# Altium PCB Lay-51943_B.brd.PcbDoc (part 1 of 8) (continued)
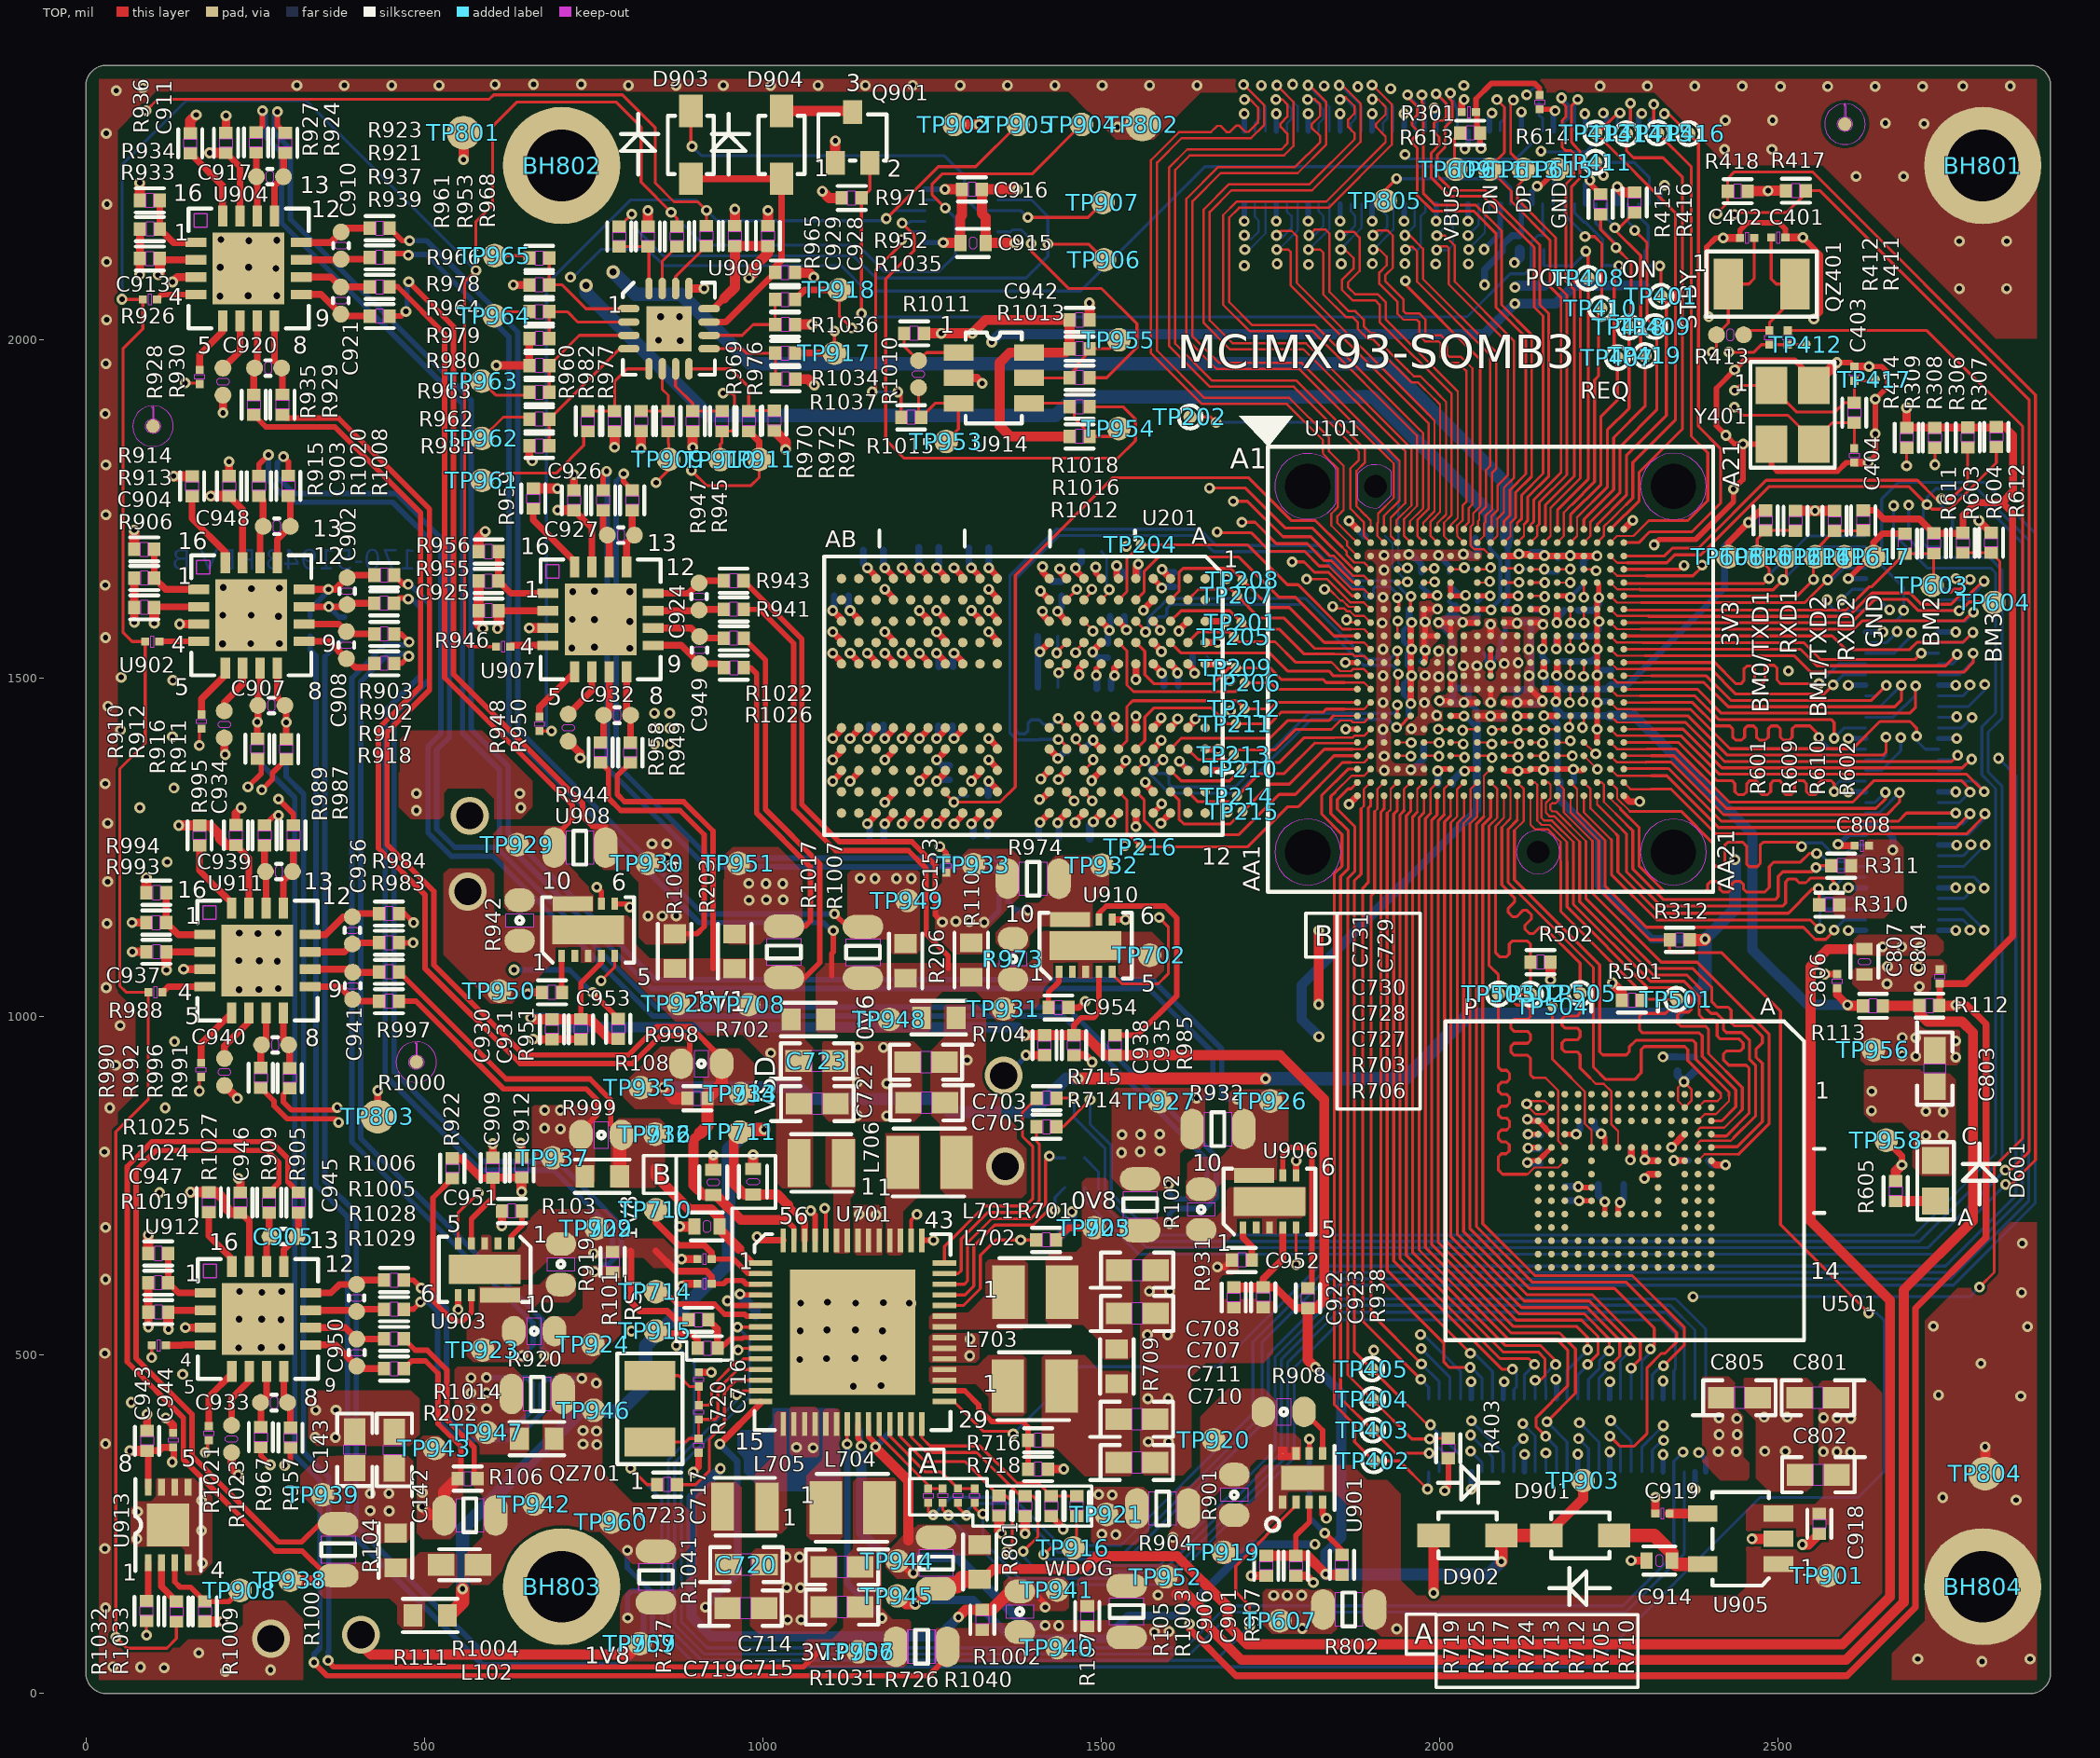
[diagram p0: TOP view]
## Components (designator, comment, footprint, x,y, rotation, side; value= is the part's Value field where it differs from the comment) (continued)
L102 "120 Ohm" IND_0603 552.75,190.32 r180 top
L701 "0.47UH" IND_SPH2520 1246.9,784.93 r0 top
L702 "0.47UH" IND_SPH2520 1403,593.29 r0 top
L703 "0.47UH" IND_SPH2520 1402.05,454.35 r0 top
L704 "0.47UH" IND_SPH2520 1133.01,274.53 r0 top
L705 "0.47UH" IND_2016A 973.9,276.24 r180 top
L706 "0.47UH" IND_2016A 1086.61,784.07 r180 top
MG1 "Do Not Trash" DoNotTrash_250Mil 558,1526 r180 bottom
Q901 "NX3008NBKW,115" SC70_3 1132.94,2299.31 r0 top
QZ401 "32.768KHZ" XTAL2-3P2X1P5-SM 2476.33,2082.67 r0 top
QZ701 "32.768KHZ" XTAL2-3P2X1P5-SM 833.38,420.75 r90 top
R101 "0" 0402_CC 778.36,637.62 r270 top
R102 "0" RC0805_OV 1558.05,722.2 r90 top
R103 "0" 0603_CC 763.01,764.38 r180 top
R104 "0" 0603_CC 457.58,211.33 r90 top
R105 "0" 0402_CC 1324.73,108.92 r90 top
R106 "0" 0402_CC 564.09,317.62 r0 top
R107 "0" 0402_CC 1479.77,114.32 r270 top
R108 "0" 0402_CC 903.44,879.51 r0 top
R109 "0" 0603_CC 870,1097.08 r270 top
R110 "0" 0603_CC 1308.26,1083.78 r270 top
R111 "0" 0603_CC 508.74,115.37 r180 top
R112 "0" 0402_CC 2724.18,1016.34 r180 top
R113 "0" 0402_CC 2640.82,1016.14 r0 top
R201 "10K" 0402_CC 1318.8,1326.23 r0 bottom
R202 "0" 0603_CC 666.39,376.55 r180 top
R203 "0" 0603_CC 958.68,1096.7 r90 top
R204 "120" 0402_CC 1905.57,1710.21 r180 bottom
R205 "150" 0402_CC 1408.56,1424.08 r270 bottom
R206 "0" 0603_CC 1211.23,1082.48 r90 top
R207 "10K" 0402_CC 1421.15,1562.41 r0 bottom
R208 "10K" 0402_CC 1421.58,1486.62 r0 bottom
R209 "240 OHM" 0201_CC 1645.91,1532.71 r0 bottom
R210 "0" 0402_CC 1486,1687.46 r0 bottom
R301 "0" 0201_CC 2043.7,2336.66 r0 top
R302 "200" 0201_CC 2057.1,1671.95 r270 bottom
R303 "200" 0201_CC 2135.89,1675.74 r90 bottom
R304 "0" 0201_CC 2146.92,2361.58 r270 bottom
R305 "200" 0201_CC 2175.22,1666.78 r90 bottom
R306 "4.7K" 0402_CC 2780.77,1855.96 r270 top
R307 "4.7K" 0402_CC 2823.11,1856.75 r270 top
R308 "4.7K" 0402_CC 2732.32,1855.75 r270 top
R309 "4.7K" 0402_CC 2690.47,1855.76 r270 top
R310 "10K" 0402_CC 2576.12,1165.57 r180 top
R311 "10K" 0402_CC 2593.64,1223.36 r180 top
R312 "4.7K" 0402_CC 2355.1,1113.62 r180 top
R401 "100K" 0402_CC 2241.26,2095.39 r90 bottom
R403 "10K" 0402_CC 2013.28,362.38 r270 top
R404 "100K" 0402_CC 2198.54,2095.07 r90 bottom
R405 "100K" 0402_CC 2303.73,2094.76 r90 bottom
R406 "0" 0201_CC 2154.44,2144.09 r270 bottom
R411 "0" 0201_CC 2514.69,2003.59 r270 top
R412 "0" 0201_CC 2487.8,2003.67 r90 top
R413 "4.7M" RC0402_25 2429.64,2007.75 r180 top
R414 "510K" 0402_CC 2613.18,1892.69 r270 top
R415 "100K" 0402_CC 2238.2,2200.72 r90 top
R416 "100K" 0402_CC 2288.47,2203.45 r90 top
R417 "100K" 0402_CC 2526.65,2220.64 r180 top
R418 "100K" 0402_CC 2440.72,2219.95 r0 top
R501 "10K" 0402_CC 2284.42,1024.33 r0 top
R502 "10K" 0402_CC 2149.46,1080.83 r180 top
R601 "4.7K" 0402_CC 2482.26,1733.29 r270 top
R602 "10K" 0402_CC 2626.38,1733.52 r270 top
R603 "4.7K" 0402_CC 2730.83,1699.46 r270 top
R604 "4.7K" 0402_CC 2773.69,1700.22 r270 top
R605 "1.0K" 0402_CC 2674.32,742.34 r270 top
R609 "100K" 0402_CC 2526.37,1733 r90 top
R610 "100K" 0402_CC 2584.13,1732.91 r90 top
R611 "100K" 0402_CC 2687.96,1699.21 r90 top
R612 "100K" 0402_CC 2815.21,1700.53 r90 top
R613 "30K" 0402_CC 2045.69,2306.15 r0 top
R614 "52.3K" 0201_CC 2148.23,2351.33 r270 top
R701 "0" 0402_CC 1419.05,670.32 r180 top
R702 "0" 0603_CC 1067.55,995.96 r0 top
R703 "100K" 0402_CC 905.25,552.25 r0 top
R704 "0" 0603_CC 1260.24,998.66 r180 top
R705 "100K" 0402_CC 1426.51,277.25 r90 top
R706 "0" 0402_CC 918.66,510.25 r0 top
R707 "0" 0402_CC 1461.11,747.75 r180 bottom
R708 "0" 0402_CC 1461.1,791.34 r180 bottom
R709 "0" 0603_CC 1523.45,483.31 r270 top
R710 "0" 0402_CC 1464.07,277.12 r90 top
R711 "0" 0402_CC 1418.78,670.77 r0 bottom
R712 "4.7K" 0402_CC 1387.83,277.26 r90 top
R713 "4.7K" 0402_CC 1349.44,277.52 r90 top
R714 "0" 0402_CC 1419.41,837.5 r180 top
R715 "0" 0402_CC 1419.76,879.87 r180 top
R716 "0" 0402_CC 1407.08,374.13 r180 top
R717 "0" 0201_CC 1288.66,292.51 r90 top
R718 "0" 0402_CC 1407.08,331.74 r0 top
R719 "0" 0201_CC 1244.73,292.26 r90 top
R720 "1M" 0201_CC 905.64,415.68 r270 top
R723 "0" 0402_CC 858.98,308.73 r180 top
R724 "0" 0201_CC 1313.39,292.36 r90 top
R725 "0" 0201_CC 1266.11,292.4 r90 top
R726 "0" RC0805_OV 1235.43,69.2 r0 top
R727 "0" RC0805_OV 842.19,172.58 r90 top
R801 "0" 0603_CC 1320.84,194.43 r270 top
R802 "0" RC0805_OV 1866.16,124.29 r0 top
R901 "0.4" RC0603_OV 1696.84,293.59 r90 top
R902 "0" 0402_CC 440.61,1610.98 r180 top
R903 "0" 0402_CC 440.97,1652.62 r180 top
R904 "0.02" RC0805_OV 1591.24,273.5 r180 top
R905 "0" 0402_CC 314.31,725.44 r270 top
R906 "0" 0201_CC 98.05,1554.36 r180 top
R907 "10K" 0402_CC 1855.97,190.26 r90 top
R908 "1k" RC0603_OV 1770.05,416.36 r0 top
R909 "0" 0402_CC 270.71,725.64 r270 top
R910 "0" 0201_CC 170.83,1436.3 r270 top
R911 "0" 0402_CC 296.09,1395.41 r90 top
R912 "499" RC0402_25 204.53,1431.98 r270 top
R913 "10K" 0402_CC 86.29,1648.35 r180 top
R914 "10K" 0402_CC 86,1690.53 r180 top
R915 "10K" 0402_CC 156.86,1784.11 r90 top
R916 "0" 0402_CC 253.35,1395.87 r90 top
R917 "0" 0402_CC 440.97,1565.72 r180 top
R918 "0" 0402_CC 440.97,1522.32 r180 top
R919 "499" RC0603_OV 701.82,634.41 r270 top
R920 "10.0" RC0603_OV 662.43,535.53 r0 top
R921 "0" 0402_CC 434,2122.2 r180 top
R922 "10K" 0402_CC 541.55,776.03 r270 top
R923 "0" 0402_CC 434,2165.2 r180 top
R924 "0" 0402_CC 294.56,2291.27 r270 top
R926 "0" 0201_CC 94.59,2060.01 r180 top
R927 "0" 0402_CC 251.46,2291.85 r270 top
R928 "0" 0201_CC 168.04,1945.52 r270 top
R929 "0" 0402_CC 290.42,1904.51 r90 top
R930 "806" RC0402_25 202.54,1938.59 r270 top
R931 "1.0" RC0603_OV 1647.92,715.09 r90 top
R932 "0.02" RC0805_OV 1672.75,834 r180 top
R933 "10K" 0402_CC 94.61,2164.13 r180 top
R934 "10K" 0402_CC 94.31,2206.31 r180 top
R935 "0" 0402_CC 248.12,1904.33 r90 top
R936 "10K" 0402_CC 154.24,2290.64 r90 top
R937 "0" 0402_CC 434,2078.4 r180 top
R938 "10K" 0402_CC 1805.72,584.35 r90 top
R939 "0" 0402_CC 434,2035.5 r180 top
R941 "0" 0402_CC 957.24,1602.07 r180 top
R942 "2.0" RC0603_OV 640.99,1142.42 r90 top
R943 "0" 0402_CC 957.12,1644.37 r180 top
R944 "0.05" RC0805_OV 729.98,1249.97 r0 top
R945 "0" 0402_CC 807.42,1763.38 r270 top
R946 "0" 0201_CC 616.6,1546.87 r180 top
R947 "0" 0402_CC 764.32,1763.38 r270 top
R948 "0" 0201_CC 670.2,1432.77 r270 top
R949 "0" 0402_CC 804.36,1390.26 r90 top
R950 "1.27K" RC0402_25 712.89,1427.15 r270 top
R951 "10K" 0402_CC 786.73,982.21 r90 top
R952 "10K" 0402_CC 1033.25,2099.59 r180 top
R953 "10K" 0402_CC 830.49,2152.95 r270 top
R955 "10K" 0402_CC 594.85,1643.85 r180 top
R956 "10K" 0402_CC 594.96,1687.4 r180 top
R957 "0" 0402_CC 302.19,377.94 r90 top
R958 "0" 0402_CC 760.66,1390.6 r90 top
R959 "10K" 0402_CC 661.03,1765.75 r90 top
R960 "0" 0402_CC 741.61,1880.07 r270 top
R961 "0" 0402_CC 788.29,2152.95 r270 top
R962 "0" 0402_CC 669.89,1883.19 r180 top
R963 "0" 0402_CC 669.89,1922.85 r180 top
R964 "0" 0402_CC 669.89,2041.83 r180 top
R965 "0" 0402_CC 917.1,2153.88 r270 top
R966 "0" 0402_CC 669.89,2121.15 r180 top
R967 "0" 0402_CC 258.69,378.7 r90 top
R968 "0" 0402_CC 873.38,2152.95 r270 top
R969 "0" 0402_CC 860.59,1880.07 r270 top
R970 "0" 0402_CC 939.91,1880.07 r270 top
R971 "10K" 0402_CC 1131.45,2209.84 r0 top
R972 "0" 0402_CC 979.57,1880.07 r270 top
R973 "2.0" RC0603_OV 1369.96,1085.31 r90 top
R974 "0.05" RC0805_OV 1399.89,1203.92 r180 top
R975 "4.7K" 0402_CC 1017.57,1880.77 r90 top
R976 "4.7K" 0402_CC 896.7,1880.03 r90 top
R977 "4.7K" 0402_CC 820.37,1880.4 r90 top
R978 "4.7K" 0402_CC 669.89,2081.49 r180 top
R979 "4.7K" 0402_CC 669.89,2002.17 r180 top
R980 "4.7K" 0402_CC 669.89,1962.51 r180 top
R981 "4.7K" 0402_CC 669.89,1843.53 r180 top
R982 "4.7K" 0402_CC 781.27,1880.07 r270 top
R983 "0" 0402_CC 447.94,1109.42 r180 top
R984 "0" 0402_CC 447.94,1152.62 r180 top
R985 "10K" 0402_CC 1520.56,958.13 r90 top
R987 "0" 0402_CC 306.63,1268.31 r270 top
R988 "0" 0201_CC 102.75,1036.34 r180 top
R989 "0" 0402_CC 264.03,1268.19 r270 top
R990 "0" 0201_CC 170.1,921.57 r270 top
R991 "0" 0402_CC 301.15,909.26 r90 top
R992 "2.05K" RC0402_25 204.8,918.4 r270 top
R993 "10K" 0402_CC 103.84,1139.19 r180 top
R994 "10K" 0402_CC 104.25,1183.3 r180 top
R995 "10K" 0402_CC 167.94,1268.04 r90 top
R996 "0" 0402_CC 258.45,909.78 r90 top
R997 "0" 0402_CC 447.94,1066.42 r180 top
R998 "1.0" RC0603_OV 909.6,930.75 r180 top
R999 "0.4" RC0603_OV 761.69,825.45 r180 top
R1000 "0" 0402_CC 447.94,1023.02 r180 top
R1001 "0.25" RC0805_OV 372.96,212.6 r90 top
R1002 "4.99" RC0603_OV 1379.96,121 r90 top
R1003 "0.1" RC0805_OV 1537.76,121.09 r90 top
R1004 "0.1" RC0805_OV 567.38,263.3 r180 top
R1005 "0" 0402_CC 455.41,567.95 r180 top
R1006 "0" 0402_CC 455.41,610.95 r180 top
R1007 "0.25" RC0805_OV 1148.36,1095.3 r90 top
R1008 "0" 0402_CC 299.34,1784.63 r270 top
R1009 "100K" 0402_CC 175.91,121.5 r90 top
R1010 "2.2K" RC0402_25 1230.4,1949.61 r270 top
R1011 "10K" 0402_CC 1223.76,2009.92 r180 top
R1012 "10K" 0402_CC 1468.23,1857.56 r0 top
R1013 "10K" 0402_CC 1468.23,1987.26 r0 top
R1014 "0.25" RC0805_OV 667.07,442.72 r180 top
R1015 "0" 0402_CC 1219.49,1885.88 r180 top
R1016 "0" 0402_CC 1468.23,1901.36 r0 top
R1017 "0.1" RC0805_OV 1031.51,1095.7 r90 top
R1018 "0" 0402_CC 1468.23,1944.36 r0 top
R1019 "0" 0201_CC 107.76,514.48 r180 top
R1020 "0" 0402_CC 255.64,1784.21 r270 top
R1021 "0" 0201_CC 181.64,384.55 r270 top
R1022 "0" 0402_CC 957.23,1559.6 r180 top
R1023 "3.24K" RC0402_25 215.24,376.16 r270 top
R1024 "10K" 0402_CC 106.98,607.14 r180 top
R1025 "10K" 0402_CC 106.94,650.28 r180 top
R1026 "0" 0402_CC 957.51,1515.8 r180 top
R1027 "10K" 0402_CC 181.62,726.1 r90 top
R1028 "0" 0402_CC 455.41,523.95 r180 top
R1029 "0" 0402_CC 455.41,480.15 r180 top
R1031 "0.1" RC0805_OV 1256.38,192.78 r270 top
R1032 "0" 0402_CC 89.43,121.91 r90 top
R1033 "0" 0402_CC 133.83,121.19 r90 top
R1034 "0" 0402_CC 1033.25,1980.61 r0 top
R1035 "0" 0402_CC 1033.25,2059.93 r0 top
R1036 "4.7K" 0402_CC 1033.28,2022.88 r180 top
R1037 "4.7K" 0402_CC 1033.86,1942.25 r180 top
R1040 "0.02" RC0805_OV 1234.53,69.2 r0 top
R1041 "0.02" RC0805_OV 842.42,172.41 r90 top
R1042 "0" 0402_CC 296.1,1392.37 r90 bottom
R1043 "0" 0402_CC 253.62,1393.84 r90 bottom
R1044 "0" 0402_CC 382,1575.76 r90 bottom
R1045 "0" 0402_CC 331.33,1577.45 r90 bottom
TP201 "TPAD_015" TPAD_015 1707.53,1582.77 r0 top
TP202 "tpad_020" TPAD_020 1631.77,1886.32 r0 top
TP204 "TPAD_015" TPAD_015 1558.88,1697.48 r0 top
TP205 "TPAD_015" TPAD_015 1696.3,1561.16 r0 top
TP206 "TPAD_015" TPAD_015 1712.21,1493.38 r0 top
TP207 "TPAD_015" TPAD_015 1701.02,1622.67 r0 top
TP208 "TPAD_015" TPAD_015 1709.24,1645.13 r0 top
TP209 "TPAD_015" TPAD_015 1699.4,1515.76 r0 top
TP210 "TPAD_015" TPAD_015 1707.53,1365.76 r0 top
TP211 "TPAD_015" TPAD_015 1699.4,1432.77 r0 top
TP212 "TPAD_015" TPAD_015 1712.21,1455.15 r0 top
TP213 "TPAD_015" TPAD_015 1696.3,1387.37 r0 top
TP214 "TPAD_015" TPAD_015 1701.02,1325.86 r0 top
TP215 "TPAD_015" TPAD_015 1709.24,1303.4 r0 top
TP216 "TPAD_015" TPAD_015 1558.88,1251.05 r0 top
TP401 "tpad_020" TPAD_020 2327.57,2064.67 r0 top
TP402 "tpad_020" TPAD_020 1902.96,343.78 r0 top
TP403 "tpad_020" TPAD_020 1901.35,389.22 r0 top
TP404 "tpad_020" TPAD_020 1901.21,434.41 r0 top
TP405 "tpad_020" TPAD_020 1900.08,479.57 r0 top
TP407 "tpad_020" TPAD_020 2262.99,1973.82 r0 top
TP408 "tpad_020" TPAD_020 2219.62,2091.38 r90 top
TP409 "tpad_020" TPAD_020 2318.13,2020.02 r0 top
TP410 "tpad_020" TPAD_020 2238.4,2046.72 r0 top
TP411 "tpad_020" TPAD_020 2230.63,2262.7 r0 top
TP412 "TPAD_015" TPAD_015 2541.26,1993.39 r0 top
TP413 "tpad_020" TPAD_020 2231.11,2305.75 r0 top
TP414 "tpad_020" TPAD_020 2276.55,2304.66 r0 top
TP415 "tpad_020" TPAD_020 2322.32,2305.94 r0 top
TP416 "tpad_020" TPAD_020 2368.41,2304.98 r0 top
TP417 "TPAD_015" TPAD_015 2643.57,1941.25 r0 top
TP418 "tpad_020" TPAD_020 2280.24,2019.11 r0 top
TP419 "tpad_020" TPAD_020 2304.02,1977.03 r0 top
TP501 "tpad_020" TPAD_020 2350.48,1025.87 r0 top
TP502 "tpad_020" TPAD_020 2134.65,1033.52 r0 top
TP503 "tpad_020" TPAD_020 2087.3,1033.62 r0 top
TP504 "TPAD_015" TPAD_015 2167.09,1015.41 r0 top
TP505 "tpad_020" TPAD_020 2208.02,1034.42 r0 top
TP603 "TP_35MIL" TESTPOINT_35MIL 2728.1,1637.5 r0 top
TP604 "TP_35MIL" TESTPOINT_35MIL 2819.24,1612 r0 top
TP607 "TP_35MIL" TESTPOINT_35MIL 1764.38,107.46 r0 top
TP608 "TP_35MIL" TESTPOINT_35MIL 2426.61,1679.71 r180 top
TP609 "TP_35MIL" TESTPOINT_35MIL 2024.2,2252.3 r0 top
TP610 "TP_35MIL" TESTPOINT_35MIL 2469.61,1679.71 r180 top
TP611 "TP_35MIL" TESTPOINT_35MIL 2074.2,2252.3 r0 top
TP612 "TP_35MIL" TESTPOINT_35MIL 2512.61,1679.71 r0 top
TP613 "TP_35MIL" TESTPOINT_35MIL 2124.2,2252.3 r0 top
TP614 "TP_35MIL" TESTPOINT_35MIL 2555.61,1679.71 r180 top
TP615 "TP_35MIL" TESTPOINT_35MIL 2174.2,2252.3 r0 top
TP616 "TP_35MIL" TESTPOINT_35MIL 2598.61,1679.71 r0 top
TP617 "TP_35MIL" TESTPOINT_35MIL 2641.61,1679.71 r0 top
TP702 "TP_35MIL" TESTPOINT_35MIL 1571.78,1090.98 r0 top
TP703 "TP_35MIL" TESTPOINT_35MIL 1489.75,688.29 r0 top
TP706 "TP_35MIL" TESTPOINT_35MIL 1141.39,61.86 r0 top
TP707 "TP_35MIL" TESTPOINT_35MIL 818.72,73.59 r0 top
TP708 "TP_35MIL" TESTPOINT_35MIL 979.18,1017.78 r0 top
TP709 "TP_35MIL" TESTPOINT_35MIL 754.35,687.56 r0 top
TP710 "TP_35MIL" TESTPOINT_35MIL 841.99,714.86 r0 top
TP711 "TP_35MIL" TESTPOINT_35MIL 966.02,829.69 r0 top
TP712 "TP_35MIL" TESTPOINT_35MIL 841.09,826.77 r0 top
TP713 "TP_35MIL" TESTPOINT_35MIL 967.44,886.26 r0 top
TP714 "TP_35MIL" TESTPOINT_35MIL 841.99,593.85 r0 top
TP801 "TPAD_050" TPAD_050 558.1,2306.35 r0 top
TP802 "TPAD_050" TPAD_050 1561,2318.55 r0 top
TP803 "TPAD_050" TPAD_050 431.16,852.58 r0 top
TP804 "TPAD_050" TPAD_050 2806.57,324.98 r0 top
TP805 "TP_35MIL" TESTPOINT_35MIL 1919.93,2206.08 r0 top
TP901 "TP_35MIL" TESTPOINT_35MIL 2573.27,174.13 r0 top
TP902 "TP_35MIL" TESTPOINT_35MIL 1283.1,2318.55 r270 top
TP903 "TP_35MIL" TESTPOINT_35MIL 2212.24,314.69 r0 top
TP904 "TP_35MIL" TESTPOINT_35MIL 1471.42,2318.55 r270 top
TP905 "TP_35MIL" TESTPOINT_35MIL 1377.26,2318.55 r270 top
TP906 "TP_35MIL" TESTPOINT_35MIL 1504.82,2118.41 r270 top
TP907 "TP_35MIL" TESTPOINT_35MIL 1502.72,2203.31 r270 top
TP908 "TP_35MIL" TESTPOINT_35MIL 227.74,152.4 r90 top
TP909 "TP_35MIL" TESTPOINT_35MIL 861.18,1823.55 r0 top
TP910 "TP_35MIL" TESTPOINT_35MIL 937.44,1823.29 r90 top
TP911 "TP_35MIL" TESTPOINT_35MIL 995.02,1823.57 r0 top
TP915 "TP_35MIL" TESTPOINT_35MIL 841.99,535.65 r0 top
TP916 "TP_35MIL" TESTPOINT_35MIL 1459.01,215.24 r0 top
TP917 "TP_35MIL" TESTPOINT_35MIL 1106.21,1980.6 r0 top
TP918 "TP_35MIL" TESTPOINT_35MIL 1113.27,2074.13 r0 top
TP919 "TP_35MIL" TESTPOINT_35MIL 1681.18,208.55 r0 top
TP920 "TP_35MIL" TESTPOINT_35MIL 1666.57,374.67 r0 top
TP921 "TP_35MIL" TESTPOINT_35MIL 1508.2,264.74 r0 top
TP922 "TP_35MIL" TESTPOINT_35MIL 754.35,687.47 r0 top
TP923 "TP_35MIL" TESTPOINT_35MIL 586.38,507.81 r0 top
TP924 "TP_35MIL" TESTPOINT_35MIL 749.16,515.74 r0 top
TP925 "TP_35MIL" TESTPOINT_35MIL 1489.86,688.3 r0 top
TP926 "TP_35MIL" TESTPOINT_35MIL 1750.48,875.53 r0 top
TP927 "TP_35MIL" TESTPOINT_35MIL 1586.85,874.7 r0 top
TP928 "TP_35MIL" TESTPOINT_35MIL 875.16,1019.62 r0 top
TP929 "TP_35MIL" TESTPOINT_35MIL 637.3,1254.1 r0 top
TP930 "TP_35MIL" TESTPOINT_35MIL 830.13,1226.55 r0 top
TP931 "TP_35MIL" TESTPOINT_35MIL 1356.04,1011.6 r0 top
TP932 "TP_35MIL" TESTPOINT_35MIL 1501.29,1224.06 r0 top
TP933 "TP_35MIL" TESTPOINT_35MIL 1311.79,1224.9 r0 top
TP934 "TP_35MIL" TESTPOINT_35MIL 967.46,886.4 r0 top
TP935 "TP_35MIL" TESTPOINT_35MIL 819.71,895.17 r0 top
TP936 "TP_35MIL" TESTPOINT_35MIL 840.99,826.7 r0 top
TP937 "TP_35MIL" TESTPOINT_35MIL 689.9,791.64 r0 top
TP938 "TP_35MIL" TESTPOINT_35MIL 301.72,167.39 r0 top
TP939 "TP_35MIL" TESTPOINT_35MIL 349.72,293.69 r0 top
TP940 "TP_35MIL" TESTPOINT_35MIL 1435.36,67.9 r0 top
TP941 "TP_35MIL" TESTPOINT_35MIL 1435.35,153.04 r0 top
TP942 "TP_35MIL" TESTPOINT_35MIL 662.34,279.92 r0 top
TP943 "TP_35MIL" TESTPOINT_35MIL 515.43,362.15 r0 top
TP944 "TP_35MIL" TESTPOINT_35MIL 1199.32,196.04 r0 top
TP945 "TP_35MIL" TESTPOINT_35MIL 1198.91,144.28 r0 top
TP946 "TP_35MIL" TESTPOINT_35MIL 750.48,418.53 r0 top
TP947 "TP_35MIL" TESTPOINT_35MIL 592.25,385.96 r0 top
TP948 "TP_35MIL" TESTPOINT_35MIL 1187.42,996.16 r0 top
TP949 "TP_35MIL" TESTPOINT_35MIL 1213.71,1171.87 r0 top
TP950 "TP_35MIL" TESTPOINT_35MIL 611.01,1037.9 r0 top
TP951 "TP_35MIL" TESTPOINT_35MIL 964.11,1226.55 r0 top
TP952 "TP_35MIL" TESTPOINT_35MIL 1595.63,172.66 r0 top
TP953 "TP_35MIL" TESTPOINT_35MIL 1271.3,1850.13 r0 top
TP954 "TP_35MIL" TESTPOINT_35MIL 1526.33,1869.33 r0 top
TP955 "TP_35MIL" TESTPOINT_35MIL 1526.34,2000.39 r0 top
TP956 "TP_35MIL" TESTPOINT_35MIL 2641.25,951.29 r0 top
TP957 "TP_35MIL" TESTPOINT_35MIL 1141.43,61.66 r0 top
TP958 "TP_35MIL" TESTPOINT_35MIL 2660.19,817.66 r0 top
TP959 "TP_35MIL" TESTPOINT_35MIL 818.65,73.59 r0 top
TP960 "TP_35MIL" TESTPOINT_35MIL 775.96,253.55 r0 top
TP961 "TP_35MIL" TESTPOINT_35MIL 585.36,1792.63 r90 top
TP962 "TP_35MIL" TESTPOINT_35MIL 585.36,1854.5 r90 top
TP963 "TP_35MIL" TESTPOINT_35MIL 584.99,1939.2 r90 top
TP964 "TP_35MIL" TESTPOINT_35MIL 603.32,2035.88 r90 top
TP965 "TP_35MIL" TESTPOINT_35MIL 604.08,2124.7 r90 top
U101 "MIMX9352CVVMAB" SKT_BGA306_0P5_SQ16P23_ELAST 2075.72,1513.64 r90 top
U201 "MT53E1G16D1FW-046 AAT:A" BGA200_0P65X0P8_10X14P5 1385.23,1474.28 r270 top
U501 "SDINBDA6-16G-I" FBGA153_0P5_11P5X13 2273.99,757.66 r270 top
U701 "PCA9451AHNY" HVQFN56_0P4_7X7_EP4P7MM 1132.86,533.95 r0 top
U901 "DML3006LFDS-7" DFN2020_0P5_SQ2 1797.98,318.86 r90 top
U902 "PAC1934T-I/JQ" QFN16_0P65_4X4_A 244.43,1593.17 r0 top
U903 "TPS22990N" WSON10_0P5_2P1X3P1 589.33,625.82 r270 top
U904 "PAC1934T-I/JQ" QFN16_0P65_4X4_A 240.47,2105.78 r0 top
U905 "RT9193" SOT23-5 2445.26,228.64 r90 top
U906 "TPS22990N" WSON10_0P5_2P1X3P1 1749.02,728.05 r90 top
U907 "PAC1934T-I/JQ" QFN16_0P65_4X4_A 760.57,1587.24 r0 top
U908 "TPS22990N" WSON10_0P5_2P1X3P1 742.18,1129.45 r90 top
U909 "ADP5585ACPZ-00-R7" LFCSP_16_0P5_3X3_A 861.59,2016.77 r0 top
U910 "TPS22990N" WSON10_0P5_2P1X3P1 1477.31,1106.15 r90 top
U911 "PAC1934T-I/JQ" QFN16_0P65_4X4_A 253.55,1083.07 r0 top
U912 "PAC1934T-I/JQ" QFN16_0P65_4X4_A 254.21,553.55 r0 top
U913 "PCT2075" HWSON8_0P5_3P1X2P1 121.49,249.12 r90 top
U914 "93LC56BT" SOT23-6 1341.46,1944 r270 top
Y401 "24MHz" XTLOSC4_3P2X2P5MM_SM 2522.02,1889.64 r270 top

## Footprints (in the part's own frame and the unit in brackets; to place one, negate y for a bottom-side part, rotate by r counter-clockwise, add the part's x,y. Pads: shape width x height; smd on the part's side, far side on the other; paste and mask are expansions set on the pad)
0201_CC [mil] "0201_CC"
  rect 12x12 smd: 1(-10.51,0) 2(10.51,0)
  TOP keep-out region: -2.64,7.87 -2.64,-7.87 2.64,-7.87 2.64,7.87
  TOP keep-out region: -2.64,7.87 -2.64,-7.87 2.64,-7.87 2.64,7.87
  body extent -12,-6 12,6, height 13
0402_CC [mil] "0402_CC"
  rect 18x20 smd: 1(-14.76,0) 2(14.76,0)
  TOP keep-out region: -5.75,10 -5.75,-10 5.75,-10 5.75,10
  TOP keep-out region: -5.75,10 -5.75,-10 5.75,-10 5.75,10
  silkscreen extent -21,-18 21,18, body extent -20,-10 20,10, height 24
0603_CC [mil] "0603_CC"
  rect 28x33 smd: 1(-25.59,0) 2(25.59,0)
  silkscreen extent -40,-25 40,25, body extent -31,-16 31,16, height 36
BGA200_0P65X0P8_10X14P5 [mil] "BGA200_0P65X0P8_10X14P5"
  round 14 smd: A1(-173.23,268.7) A2(-141.73,268.7) A3(-110.24,268.7) A4(-78.74,268.7) A5(-47.24,268.7) A8(47.24,268.7) A9(78.74,268.7) A10(110.24,268.7) A11(141.73,268.7) A12(173.23,268.7) AA1(-173.23,-243.11) AA2(-141.73,-243.11) AA3(-110.24,-243.11) AA4(-78.74,-243.11) AA5(-47.24,-243.11) AA8(47.24,-243.11) AA9(78.74,-243.11) AA10(110.24,-243.11) AA11(141.73,-243.11) AA12(173.23,-243.11) AB1(-173.23,-268.7) AB2(-141.73,-268.7) AB3(-110.24,-268.7) AB4(-78.74,-268.7) AB5(-47.24,-268.7) AB8(47.24,-268.7) AB9(78.74,-268.7) AB10(110.24,-268.7) AB11(141.73,-268.7) AB12(173.23,-268.7) B1(-173.23,243.11) B2(-141.73,243.11) B3(-110.24,243.11) B4(-78.74,243.11) B5(-47.24,243.11) B8(47.24,243.11) B9(78.74,243.11) B10(110.24,243.11) B11(141.73,243.11) B12(173.23,243.11) C1(-173.23,217.52) C2(-141.73,217.52) C3(-110.24,217.52) C4(-78.74,217.52) C5(-47.24,217.52) C8(47.24,217.52) C9(78.74,217.52) C10(110.24,217.52) C11(141.73,217.52) C12(173.23,217.52) D1(-173.23,191.93) D2(-141.73,191.93) D3(-110.24,191.93) D4(-78.74,191.93) D5(-47.24,191.93) D8(47.24,191.93) D9(78.74,191.93) D10(110.24,191.93) D11(141.73,191.93) D12(173.23,191.93) E1(-173.23,166.34) E2(-141.73,166.34) E3(-110.24,166.34) E4(-78.74,166.34) E5(-47.24,166.34) E8(47.24,166.34) E9(78.74,166.34) E10(110.24,166.34) E11(141.73,166.34) E12(173.23,166.34) F1(-173.23,140.75) F2(-141.73,140.75) F3(-110.24,140.75) F4(-78.74,140.75) F5(-47.24,140.75) F8(47.24,140.75) F9(78.74,140.75) F10(110.24,140.75) F11(141.73,140.75) F12(173.23,140.75) G1(-173.23,115.16) G2(-141.73,115.16) G3(-110.24,115.16) G4(-78.74,115.16) G5(-47.24,115.16) G8(47.24,115.16) G9(78.74,115.16) G10(110.24,115.16) G11(141.73,115.16) G12(173.23,115.16) H1(-173.23,89.57) H2(-141.73,89.57) H3(-110.24,89.57) H4(-78.74,89.57) H5(-47.24,89.57) H8(47.24,89.57) H9(78.74,89.57) H10(110.24,89.57) H11(141.73,89.57) H12(173.23,89.57) J1(-173.23,63.98) J2(-141.73,63.98) J3(-110.24,63.98) J4(-78.74,63.98) J5(-47.24,63.98) J8(47.24,63.98) J9(78.74,63.98) J10(110.24,63.98) J11(141.73,63.98) J12(173.23,63.98) K1(-173.23,38.39) K2(-141.73,38.39) K3(-110.24,38.39) K4(-78.74,38.39) K5(-47.24,38.39) K8(47.24,38.39) K9(78.74,38.39) K10(110.24,38.39) K11(141.73,38.39) K12(173.23,38.39) N1(-173.23,-38.39) N2(-141.73,-38.39) N3(-110.24,-38.39) N4(-78.74,-38.39) N5(-47.24,-38.39) N8(47.24,-38.39) N9(78.74,-38.39) N10(110.24,-38.39) N11(141.73,-38.39) N12(173.23,-38.39) P1(-173.23,-63.98) P2(-141.73,-63.98) P3(-110.24,-63.98) P4(-78.74,-63.98) P5(-47.24,-63.98) P8(47.24,-63.98) P9(78.74,-63.98) P10(110.24,-63.98) P11(141.73,-63.98) P12(173.23,-63.98) R1(-173.23,-89.57) R2(-141.73,-89.57) R3(-110.24,-89.57) R4(-78.74,-89.57) R5(-47.24,-89.57) R8(47.24,-89.57) R9(78.74,-89.57) R10(110.24,-89.57) R11(141.73,-89.57) R12(173.23,-89.57) T1(-173.23,-115.16) T2(-141.73,-115.16) T3(-110.24,-115.16) T4(-78.74,-115.16) T5(-47.24,-115.16) T8(47.24,-115.16) T9(78.74,-115.16) T10(110.24,-115.16) T11(141.73,-115.16) T12(173.23,-115.16) U1(-173.23,-140.75) U2(-141.73,-140.75) U3(-110.24,-140.75) U4(-78.74,-140.75) U5(-47.24,-140.75) U8(47.24,-140.75) U9(78.74,-140.75) U10(110.24,-140.75) U11(141.73,-140.75) U12(173.23,-140.75) V1(-173.23,-166.34) V2(-141.73,-166.34) V3(-110.24,-166.34) V4(-78.74,-166.34) V5(-47.24,-166.34) V8(47.24,-166.34) V9(78.74,-166.34) V10(110.24,-166.34) V11(141.73,-166.34) V12(173.23,-166.34) W1(-173.23,-191.93) W2(-141.73,-191.93) W3(-110.24,-191.93) W4(-78.74,-191.93) W5(-47.24,-191.93) W8(47.24,-191.93) W9(78.74,-191.93) W10(110.24,-191.93) W11(141.73,-191.93) W12(173.23,-191.93) Y1(-173.23,-217.52) Y2(-141.73,-217.52) Y3(-110.24,-217.52) Y4(-78.74,-217.52) Y5(-47.24,-217.52) Y8(47.24,-217.52) Y9(78.74,-217.52) Y10(110.24,-217.52) Y11(141.73,-217.52) Y12(173.23,-217.52)
  silkscreen extent -244,-294 206,309, body extent -197,-295 197,295, height 39
CC0402_25 [mil] "CC0402_25"
  round 25 smd: 1(-20,0) 2(20,0)
  TOP keep-out region: 5,4 5,-4 5,-6.07 2.07,-9 -2.07,-9 -5,-6.07 -5,-4 -5,-4 -5,4 -5,6.07 -2.07,9 2.07,9 5,6.07 5,4
  silkscreen extent -4,-12 4,12, body extent -20,-10 20,10, height 22
CC0402_TOL0P15 [mil] "CC0402_TOL0P15"
  rect 18x24 smd: 1(-18.7,0) 2(18.7,0)
  TOP keep-out region: 5,4 5,-4 5,-6.07 2.07,-9 -2.07,-9 -5,-6.07 -5,-4 -5,-4 -5,4 -5,6.07 -2.07,9 2.07,9 5,6.07 5,4
  silkscreen extent -24,-21 24,21, body extent -20,-10 20,10, height 22
CC0603 [mil] "CC0603"
  rect 39x32 smd: 1(-27,0) 2(27,0)
  TOP keep-out region: -7,-16 -7,16 7,16 7,-16
  silkscreen extent -68,-26 54,26, body extent -31,-16 31,16, height 36
CON12_0P4_4P12X2P05_SM [mil] "CON12_0P4_4P12X2P05_SM"
  rect 8x27 smd: 1(39.37,-53.85) 2(39.37,53.85) 3(23.62,-53.85) 4(23.62,53.85) 5(7.87,-53.85) 6(7.87,53.85) 7(-7.87,-53.85) 8(-7.87,53.85) 9(-23.62,-53.85) 10(-23.62,53.85) 11(-39.37,-53.85) 12(-39.37,53.85)
  rect 14x27 smd: ""(-58.07,-53.85) ""(-58.07,53.85) ""(58.07,-53.85) ""(58.07,53.85)
  silkscreen extent -88,-47 88,47, body extent -77,-58 77,59, height 45
CON80_0P4_17P7X2P05_SM [mil] "CON80_0P4_17P7X2P05_SM"
  rect 8x27 smd: 1(307.09,-53.85) 2(307.09,53.85) 3(291.34,-53.85) 4(291.34,53.85) 5(275.59,-53.85) 6(275.59,53.85) 7(259.84,-53.85) 8(259.84,53.85) 9(244.09,-53.85) 10(244.09,53.85) 11(228.35,-53.85) 12(228.35,53.85) 13(212.6,-53.85) 14(212.6,53.85) 15(196.85,-53.85) 16(196.85,53.85) 17(181.1,-53.85) 18(181.1,53.85) 19(165.35,-53.85) 20(165.35,53.85) 21(149.61,-53.85) 22(149.61,53.85) 23(133.86,-53.85) 24(133.86,53.85) 25(118.11,-53.85) 26(118.11,53.85) 27(102.36,-53.85) 28(102.36,53.85) 29(86.61,-53.85) 30(86.61,53.85) 31(70.87,-53.85) 32(70.87,53.85) 33(55.12,-53.85) 34(55.12,53.85) 35(39.37,-53.85) 36(39.37,53.85) 37(23.62,-53.85) 38(23.62,53.85) 39(7.87,-53.85) 40(7.87,53.85) 41(-7.87,-53.85) 42(-7.87,53.85) 43(-23.62,-53.85) 44(-23.62,53.85) 45(-39.37,-53.85) 46(-39.37,53.85) 47(-55.12,-53.85) 48(-55.12,53.85) 49(-70.87,-53.85) 50(-70.87,53.85) 51(-86.61,-53.85) 52(-86.61,53.85) 53(-102.36,-53.85) 54(-102.36,53.85) 55(-118.11,-53.85) 56(-118.11,53.85) 57(-133.86,-53.85) 58(-133.86,53.85) 59(-149.61,-53.85) 60(-149.61,53.85) 61(-165.35,-53.85) 62(-165.35,53.85) 63(-181.1,-53.85) 64(-181.1,53.85) 65(-196.85,-53.85) 66(-196.85,53.85) 67(-212.6,-53.85) 68(-212.6,53.85) 69(-228.35,-53.85) 70(-228.35,53.85) 71(-244.09,-53.85) 72(-244.09,53.85) 73(-259.84,-53.85) 74(-259.84,53.85) 75(-275.59,-53.85) 76(-275.59,53.85) 77(-291.34,-53.85) 78(-291.34,53.85) 79(-307.09,-53.85) 80(-307.09,53.85)
  rect 14x27 smd: ""(-325.79,-53.85) ""(-325.79,53.85) ""(325.79,-53.85) ""(325.79,53.85)
  silkscreen extent -356,-47 356,47, body extent -345,-58 345,58, height 45
CON100_0P4_21P7X2P05_SM [mil] "CON100_0P4_21P7X2P05_SM"
  rect 8x27 smd: 1(385.83,-53.85) 2(385.83,53.85) 3(370.08,-53.85) 4(370.08,53.85) 5(354.33,-53.85) 6(354.33,53.85) 7(338.58,-53.85) 8(338.58,53.85) 9(322.83,-53.85) 10(322.83,53.85) 11(307.09,-53.85) 12(307.09,53.85) 13(291.34,-53.85) 14(291.34,53.85) 15(275.59,-53.85) 16(275.59,53.85) 17(259.84,-53.85) 18(259.84,53.85) 19(244.09,-53.85) 20(244.09,53.85) 21(228.35,-53.85) 22(228.35,53.85) 23(212.6,-53.85) 24(212.6,53.85) 25(196.85,-53.85) 26(196.85,53.85) 27(181.1,-53.85) 28(181.1,53.85) 29(165.35,-53.85) 30(165.35,53.85) 31(149.61,-53.85) 32(149.61,53.85) 33(133.86,-53.85) 34(133.86,53.85) 35(118.11,-53.85) 36(118.11,53.85) 37(102.36,-53.85) 38(102.36,53.85) 39(86.61,-53.85) 40(86.61,53.85) 41(70.87,-53.85) 42(70.87,53.85) 43(55.12,-53.85) 44(55.12,53.85) 45(39.37,-53.85) 46(39.37,53.85) 47(23.62,-53.85) 48(23.62,53.85) 49(7.87,-53.85) 50(7.87,53.85) 51(-7.87,-53.85) 52(-7.87,53.85) 53(-23.62,-53.85) 54(-23.62,53.85) 55(-39.37,-53.85) 56(-39.37,53.85) 57(-55.12,-53.85) 58(-55.12,53.85) 59(-70.87,-53.85) 60(-70.87,53.85) 61(-86.61,-53.85) 62(-86.61,53.85) 63(-102.36,-53.85) 64(-102.36,53.85) 65(-118.11,-53.85) 66(-118.11,53.85) 67(-133.86,-53.85) 68(-133.86,53.85) 69(-149.61,-53.85) 70(-149.61,53.85) 71(-165.35,-53.85) 72(-165.35,53.85) 73(-181.1,-53.85) 74(-181.1,53.85) 75(-196.85,-53.85) 76(-196.85,53.85) 77(-212.6,-53.85) 78(-212.6,53.85) 79(-228.35,-53.85) 80(-228.35,53.85) 81(-244.09,-53.85) 82(-244.09,53.85) 83(-259.84,-53.85) 84(-259.84,53.85) 85(-275.59,-53.85) 86(-275.59,53.85) 87(-291.34,-53.85) 88(-291.34,53.85) 89(-307.09,-53.85) 90(-307.09,53.85) 91(-322.83,-53.85) 92(-322.83,53.85) 93(-338.58,-53.85) 94(-338.58,53.85) 95(-354.33,-53.85) 96(-354.33,53.85) 97(-370.08,-53.85) 98(-370.08,53.85) 99(-385.83,-53.85) 100(-385.83,53.85)
  rect 14x27 smd: ""(-404.53,-53.85) ""(-404.53,53.85) ""(404.53,-53.85) ""(404.53,53.85)
  silkscreen extent -435,-47 435,47, body extent -424,-58 424,58, height 45
DFN2020_0P5_SQ2 [mil] "DFN2020_0P5_SQ2"
  rect 19x11 smd: 1(-35.83,29.53) 2(-35.83,9.84) 3(-35.83,-9.84) 4(-35.83,-29.53) 5(35.83,-29.53) 6(35.83,-9.84)
  rect 19x11 smd paste-99999: 7(35.83,9.84)
  oct 1x1 smd: 7(35.83,29.53)
  rect 36x63 smd paste-99999: 8(0,0)
  TOP region: 26.38,36.42 45.28,36.42 45.28,22.64 36.62,22.64 36.62,16.73 45.28,16.73 45.28,2.96 26.38,2.96
  TOP region: 26.38,36.42 45.28,36.42 45.28,22.64 36.62,22.64 36.62,16.73 45.28,16.73 45.28,2.96 26.38,2.96
  silkscreen extent -79,-47 47,54, body extent -39,-39 39,39, height 32
DoNotTrash_250Mil [mil] "Do Not Dispose Of In Trash Square 250x250 mils."
  silkscreen extent -125,-125 125,125
FBGA153_0P5_11P5X13 [mil] "FBGA153_0P5_11P5X13"
  round 10 smd: A1(-127.95,127.95) A2(-108.27,127.95) A3(-88.58,127.95) A4(-68.9,127.95) A5(-49.21,127.95) A6(-29.53,127.95) A7(-9.84,127.95) A8(9.84,127.95) A9(29.53,127.95) A10(49.21,127.95) A11(68.9,127.95) A12(88.58,127.95) A13(108.27,127.95) A14(127.95,127.95) B1(-127.95,108.27) B2(-108.27,108.27) B3(-88.58,108.27) B4(-68.9,108.27) B5(-49.21,108.27) B6(-29.53,108.27) B7(-9.84,108.27) B8(9.84,108.27) B9(29.53,108.27) B10(49.21,108.27) B11(68.9,108.27) B12(88.58,108.27) B13(108.27,108.27) B14(127.95,108.27) C1(-127.95,88.58) C2(-108.27,88.58) C3(-88.58,88.58) C4(-68.9,88.58) C5(-49.21,88.58) C6(-29.53,88.58) C7(-9.84,88.58) C8(9.84,88.58) C9(29.53,88.58) C10(49.21,88.58) C11(68.9,88.58) C12(88.58,88.58) C13(108.27,88.58) C14(127.95,88.58) D1(-127.95,68.9) D2(-108.27,68.9) D3(-88.58,68.9) D4(-68.9,68.9) D12(88.58,68.9) D13(108.27,68.9) D14(127.95,68.9) E1(-127.95,49.21) E2(-108.27,49.21) E3(-88.58,49.21) E5(-49.21,49.21) E6(-29.53,49.21) E7(-9.84,49.21) E8(9.84,49.21) E9(29.53,49.21) E10(49.21,49.21) E12(88.58,49.21) E13(108.27,49.21) E14(127.95,49.21) F1(-127.95,29.53) F2(-108.27,29.53) F3(-88.58,29.53) F5(-49.21,29.53) F10(49.21,29.53) F12(88.58,29.53) F13(108.27,29.53) F14(127.95,29.53) G1(-127.95,9.84) G2(-108.27,9.84) G3(-88.58,9.84) G5(-49.21,9.84) G10(49.21,9.84) G12(88.58,9.84) G13(108.27,9.84) G14(127.95,9.84) H1(-127.95,-9.84) H2(-108.27,-9.84) H3(-88.58,-9.84) H5(-49.21,-9.84) H10(49.21,-9.84) H12(88.58,-9.84) H13(108.27,-9.84) H14(127.95,-9.84) J1(-127.95,-29.53) J2(-108.27,-29.53) J3(-88.58,-29.53) J5(-49.21,-29.53) J10(49.21,-29.53) J12(88.58,-29.53) J13(108.27,-29.53) J14(127.95,-29.53) K1(-127.95,-49.21) K2(-108.27,-49.21) K3(-88.58,-49.21) K5(-49.21,-49.21) K6(-29.53,-49.21) K7(-9.84,-49.21) K8(9.84,-49.21) K9(29.53,-49.21) K10(49.21,-49.21) K12(88.58,-49.21) K13(108.27,-49.21) K14(127.95,-49.21) L1(-127.95,-68.9) L2(-108.27,-68.9) L3(-88.58,-68.9) L12(88.58,-68.9) L13(108.27,-68.9) L14(127.95,-68.9) M1(-127.95,-88.58) M2(-108.27,-88.58) M3(-88.58,-88.58) M4(-68.9,-88.58) M5(-49.21,-88.58) M6(-29.53,-88.58) M7(-9.84,-88.58) M8(9.84,-88.58) M9(29.53,-88.58) M10(49.21,-88.58) M11(68.9,-88.58) M12(88.58,-88.58) M13(108.27,-88.58) M14(127.95,-88.58) N1(-127.95,-108.27) N2(-108.27,-108.27) N3(-88.58,-108.27) N4(-68.9,-108.27) N5(-49.21,-108.27) N6(-29.53,-108.27) N7(-9.84,-108.27) N8(9.84,-108.27) N9(29.53,-108.27) N10(49.21,-108.27) N11(68.9,-108.27) N12(88.58,-108.27) N13(108.27,-108.27) N14(127.95,-108.27) P1(-127.95,-127.95) P2(-108.27,-127.95) P3(-88.58,-127.95) P4(-68.9,-127.95) P5(-49.21,-127.95) P6(-29.53,-127.95) P7(-9.84,-127.95) P8(9.84,-127.95) P9(29.53,-127.95) P10(49.21,-127.95) P11(68.9,-127.95) P12(88.58,-127.95) P13(108.27,-127.95) P14(127.95,-127.95)
  silkscreen extent -266,-265 235,295, body extent -226,-256 226,256, height 36
HVQFN56_0P4_7X7_EP4P7MM [mil] "HVQFN56_0P4_7X7_EP4P7MM"
  rect 35x8 smd: 1(-135.83,102.36) 2(-135.83,86.61) 3(-135.83,70.87) 4(-135.83,55.12) 5(-135.83,39.37) 6(-135.83,23.62) 7(-135.83,7.87) 8(-135.83,-7.87) 9(-135.83,-23.62) 10(-135.83,-39.37) 11(-135.83,-55.12) 12(-135.83,-70.87) 13(-135.83,-86.61) 14(-135.83,-102.36) 29(135.83,-102.36) 30(135.83,-86.61) 31(135.83,-70.87) 32(135.83,-55.12) 33(135.83,-39.37) 34(135.83,-23.62) 35(135.83,-7.87) 36(135.83,7.87) 37(135.83,23.62) 38(135.83,39.37) 39(135.83,55.12) 40(135.83,70.87) 41(135.83,86.61) 42(135.83,102.36)
  rect 8x35 smd: 15(-102.36,-135.83) 16(-86.61,-135.83) 17(-70.87,-135.83) 18(-55.12,-135.83) 19(-39.37,-135.83) 20(-23.62,-135.83) 21(-7.87,-135.83) 22(7.87,-135.83) 23(23.62,-135.83) 24(39.37,-135.83) 25(55.12,-135.83) 26(70.87,-135.83) 27(86.61,-135.83) 28(102.36,-135.83) 43(102.36,135.83) 44(86.61,135.83) 45(70.87,135.83) 46(55.12,135.83) 47(39.37,135.83) 48(23.62,135.83) 49(7.87,135.83) 50(-7.87,135.83) 51(-23.62,135.83) 52(-39.37,135.83) 53(-55.12,135.83) 54(-70.87,135.83) 55(-86.61,135.83) 56(-102.36,135.83)
  rect 185x185 smd paste-99999: 57(0,0)
  silkscreen extent -145,-145 145,145, body extent -138,-138 138,138, height 33
HWSON8_0P5_3P1X2P1 [mil] "HWSON8_0P5_3P1X2P1"
  rect 25x10 smd: 1(-55.61,29.53) 2(-55.61,9.84) 3(-55.61,-9.84) 4(-55.61,-29.53) 5(55.61,-29.53) 6(55.61,-9.84) 7(55.61,9.84) 8(55.61,29.53)
  rect 63x63 smd paste-99999: 9(0,0)
  silkscreen extent -68,-48 68,48, body extent -59,-39 59,39, height 32
IND_0603 [mil] "IND_0603"
  rect 39x32 smd: 1(-26.56,0) 2(27.78,0)
  silkscreen extent -29,-23 31,23, body extent -31,-16 32,16, height 32
IND_2016A [mil] "IND_2016A"
  rect 34x71 smd: 1(-32.87,-0.08) 2(32.87,-0.08)
  silkscreen extent -45,-42 45,42, body extent -39,-24 39,24, height 37
IND_SPH2520 [mil] "IND_SPH2520"
  rect 48x79 smd: 1(-39.75,0) 2(39.75,0)
  silkscreen extent -55,-50 52,50, body extent -49,-39 49,39, height 87
LED_0603 [mil] "LED_0603"
  rect 40x40 smd: A(-30,0) C(30,0)
  silkscreen extent -57,-95 57,27, body extent -33,-18 33,18, height 35
LFCSP_16_0P5_3X3_A [mil] "LFCSP_16_0P5_3X3_A"
  oval 32x11 smd: 1(-59.31,29.53) 2(-59.31,9.84) 3(-59.31,-9.84) 4(-59.31,-29.53) 9(59.31,-29.53) 10(59.31,-9.84) 11(59.31,9.84) 12(59.31,29.53)
  oval 11x32 smd: 5(-29.53,-59.31) 6(-9.84,-59.31) 7(9.84,-59.31) 8(29.53,-59.31) 13(29.53,59.31) 14(9.84,59.31) 15(-9.84,59.31) 16(-29.53,59.31)
  rect 67x67 smd paste-99999: 17(0,0)
  silkscreen extent -68,-68 68,68, body extent -61,-60 59,60, height 35
MH188-106T [mil] "MH188-106T"
  round 173.23 / inner round 156 / far side round 173.23 hole 106: 1(0,0)
  BOTTOM keep-out region: 94.45,0 92.64,18.43 87.26,36.15 78.54,52.48 66.79,66.79 52.48,78.54 36.15,87.26 18.43,92.64 0,94.45 -18.43,92.64 -36.15,87.26 -47.03,81.45 -47.03,81.45 -52.48,78.54 -66.79,66.79 -78.54,52.48 -87.26,36.15 -92.64,18.43 -94.45,0 -92.64,-18.43 -87.26,-36.15 -78.54,-52.48 -66.79,-66.79 -52.48,-78.54 -47.03,-81.45 -47.03,-81.45 -36.15,-87.26 -18.43,-92.64 0,-94.45 18.43,-92.64 36.15,-87.26 52.48,-78.54 66.79,-66.79 78.54,-52.48 87.26,-36.15 92.64,-18.43 94.45,0
QFN16_0P65_4X4_A [mil] "QFN16_0P65_4X4_A"
  rect 31x14 smd paste+0: 1(-77.76,38.38) 2(-77.76,12.79) 3(-77.76,-12.81) 4(-77.76,-38.4) 9(77.76,-38.4) 10(77.76,-12.81) 11(77.76,12.79) 12(77.76,38.38)
  rect 14x31 smd paste+0: 5(-38.39,-77.77) 6(-12.8,-77.77) 7(12.8,-77.77) 8(38.39,-77.77) 13(38.39,77.75) 14(12.8,77.75) 15(-12.8,77.75) 16(-38.39,77.75)
  rect 106x106 smd paste-99999: 17(0,-0.01)
  TOP keep-out region: -80.82,61.12 -80.82,80.81 -61.13,80.81 -61.13,61.12
  TOP keep-out region: -80.82,61.12 -61.13,61.12 -61.13,80.81 -80.82,80.81
  silkscreen extent -89,-89 89,89, body extent -79,-79 79,79, height 36